# Altium PCB PCB_Template.PcbDoc (part 4 of 6)
Units mm, origin at the board's own origin, x right, y up, seen from the top; angles counter-clockwise.
Board outline 93 x 50 mm, 4 copper layers (Top Layer, Int1 (GND), Int2 (PWR), Bottom Layer), stack 1.369 mm thick; 176 components, 236 nets, 978 pads, 657 vias.
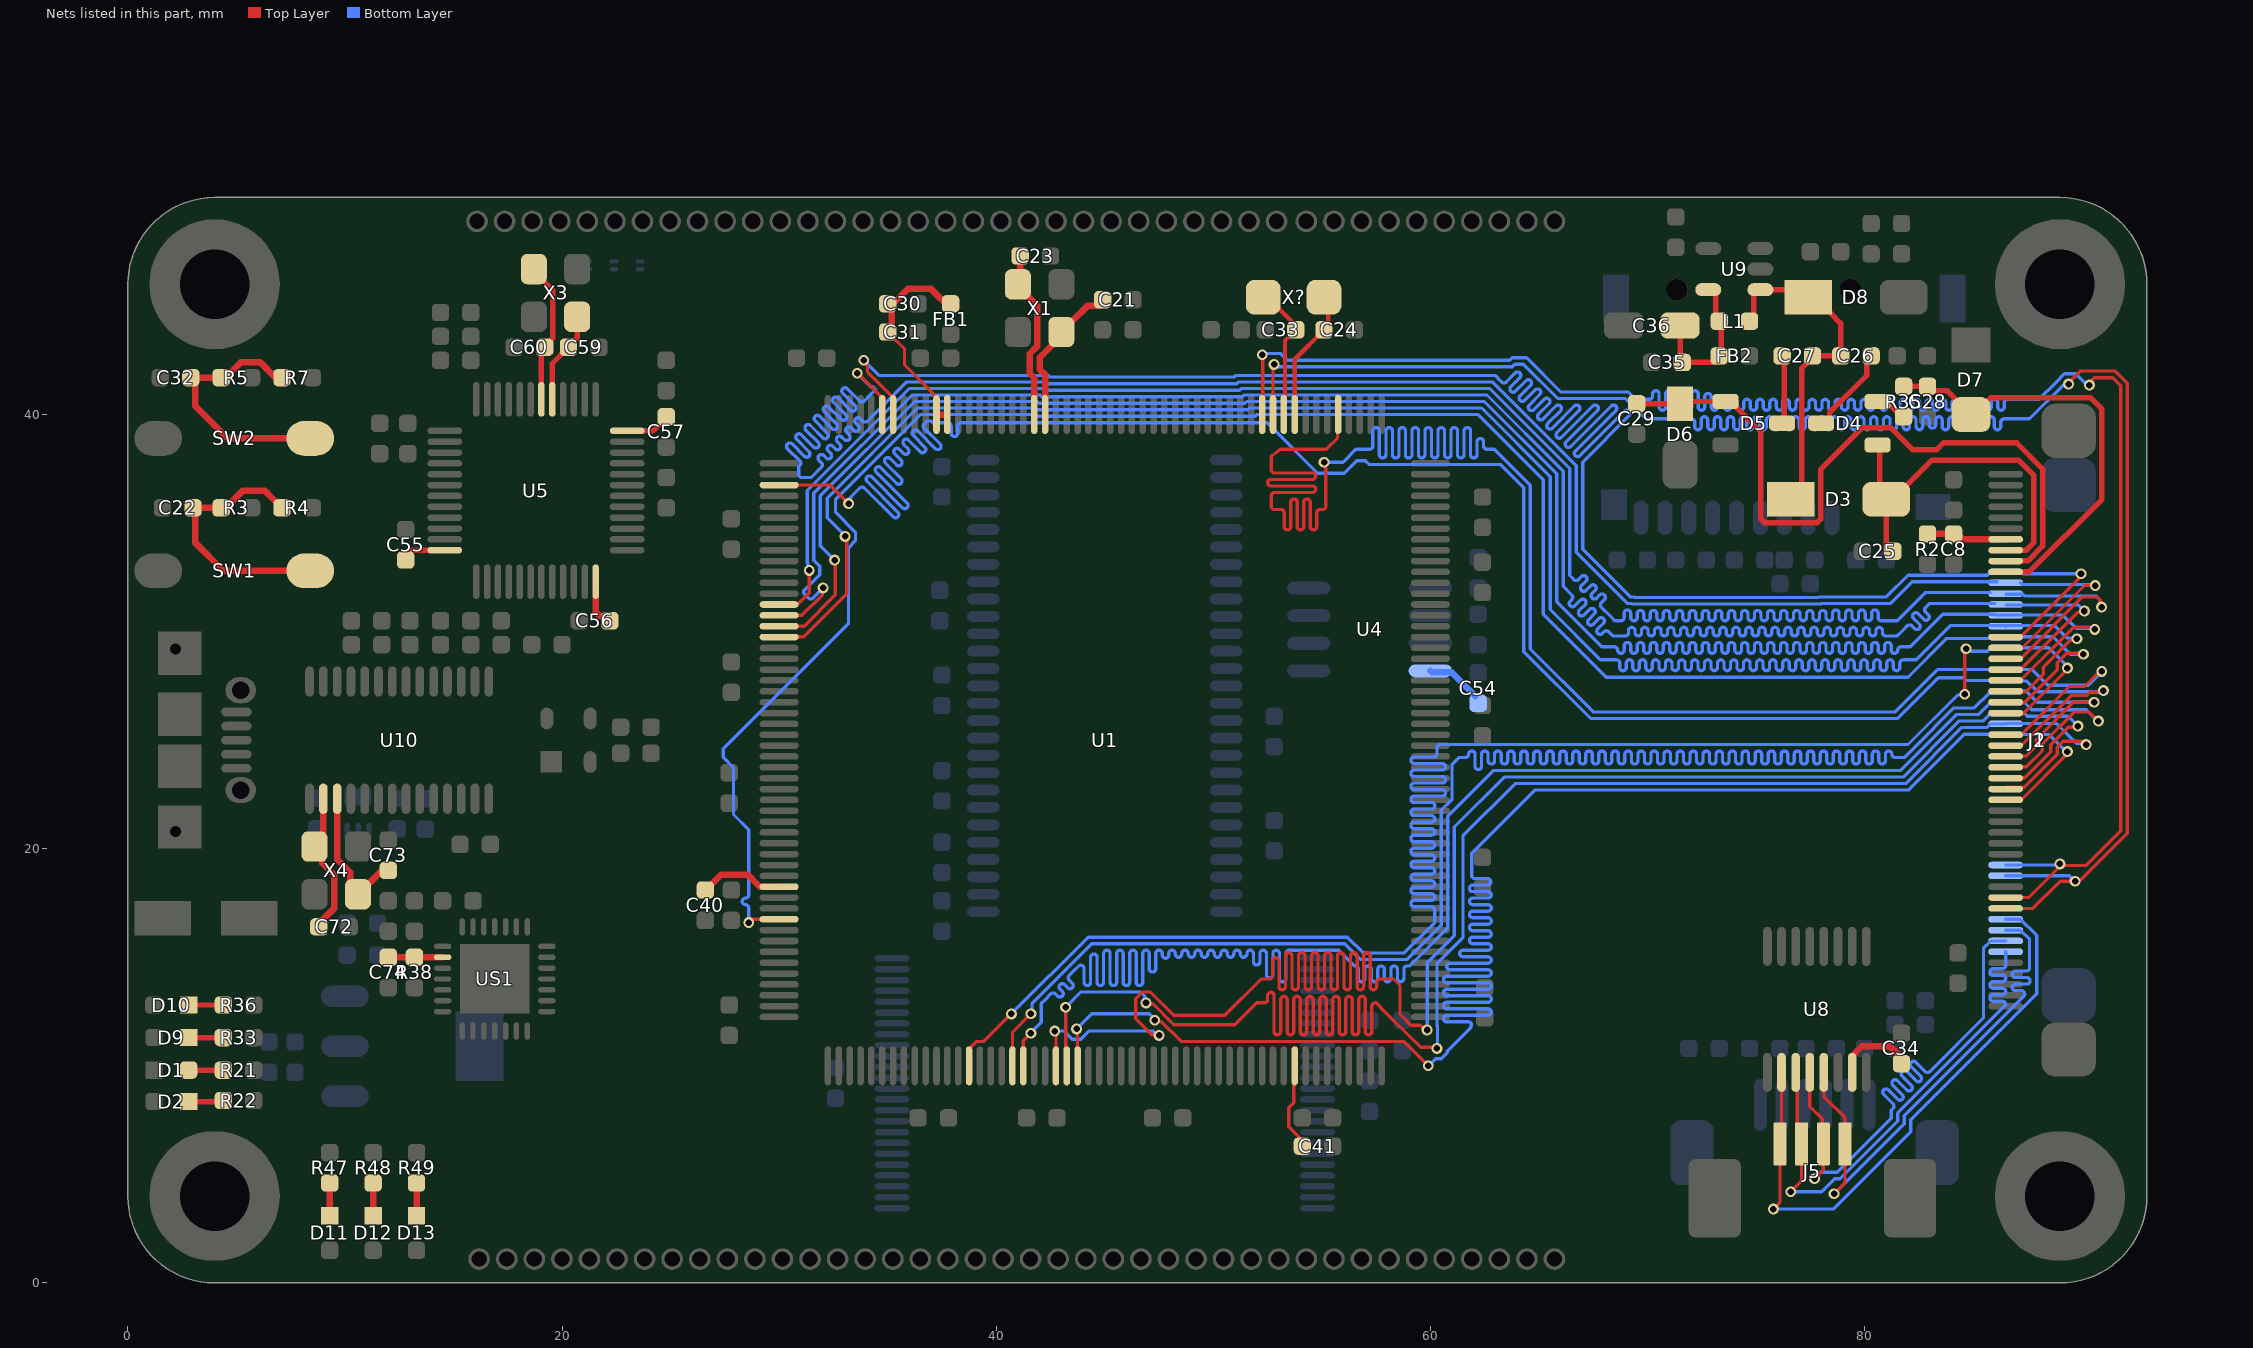
[diagram p6: the nets of this part, all layers, seen from the top]

## Via types
v1: diameter 0.5, hole 0.3, Top Layer to Bottom Layer, tented both sides, 457 vias
v2: diameter 0.5/0.5 (per signal layer), hole 0.3, Top Layer to Bottom Layer, tented both sides, 152 vias
v3: diameter 0.8, hole 0.5, Top Layer to Bottom Layer, 32 vias
v4: diameter 0.7/0.5 (per signal layer), hole 0.5, Top Layer to Bottom Layer, tented both sides, 9 vias
v5: diameter 0.3, hole 0.2, Top Layer to Bottom Layer, tented both sides, 7 vias

## Nets (pads, with @x,y where several pads share a name; then routed paths per layer and width w, separated by ;. In a path a pad name is that pad's centre, name@x,y a point inside that pad or via, vN(x,y) a via of type N, cw(c..) or ccw(c..) an arc to the next point about the centre after c; other vN are vias at no path point) (continued)
LCD_G1: J1.26 J2.14 U1.5 | length 99.1
  Top Layer w0.15: v1(55.1,37.8) 55.167,37.733 55.167,37.545 55.175,37.537 55.175,35.713 55.087,35.625 54.989,35.625 54.914,35.625 ccw(c54.914,35.475) 54.764,35.475 54.764,34.839 cw(c54.614,34.839) 54.464,34.839 54.464,35.96 ccw(c54.314,35.96) 54.164,35.96 54.164,34.839 cw(c54.014,34.839) 53.864,34.839 53.864,35.96 ccw(c53.714,35.96) 53.564,35.96 53.564,34.839 cw(c53.414,34.839) 53.264,34.839 53.264,35.475 ccw(c53.114,35.475) 53.114,35.625 52.796,35.625 52.763,35.625 52.675,35.713 52.675,35.885 52.675,36.26 cw(c52.825,36.26) 52.825,36.41 54.566,36.41 ccw(c54.566,36.56) 54.566,36.71 52.654,36.71 cw(c52.654,36.86) 52.654,37.01 54.566,37.01 ccw(c54.566,37.16) 54.566,37.31 52.825,37.31 cw(c52.825,37.46) 52.675,37.46 52.675,38.06 52.675,38.082 53.087,38.4 55.205,38.4 55.721,38.917 55.721,39.971 U1.5@55.75,40 ; J1.26@87.191,25.25 87.266,25.325 87.278,25.325 89.427,27.473 90.133,27.473 90.828,28.169 v1(90.923,28.169)
  Bottom Layer w0.15: v1(55.1,37.8) 55.972,37.8 56,37.828 56.572,38.4 57.2,38.4 ccw(c57.2,38.55) 57.35,38.55 57.35,39.25 cw(c57.5,39.25) 57.65,39.25 57.65,38.15 ccw(c57.8,38.15) 57.95,38.15 57.95,39.25 cw(c58.1,39.25) 58.25,39.25 58.25,38.15 ccw(c58.4,38.15) 58.55,38.15 58.55,39.25 cw(c58.7,39.25) 58.85,39.25 58.85,38.15 ccw(c59,38.15) 59.15,38.15 59.15,39.25 cw(c59.3,39.25) 59.45,39.25 59.45,38.15 ccw(c59.6,38.15) 59.75,38.15 59.75,39.25 cw(c59.9,39.25) 60.05,39.25 60.05,38.15 ccw(c60.2,38.15) 60.35,38.15 60.35,39.25 cw(c60.5,39.25) 60.65,39.25 60.65,38.15 ccw(c60.8,38.15) 60.95,38.15 60.95,39.25 cw(c61.1,39.25) 61.25,39.25 61.25,38.15 ccw(c61.4,38.15) 61.55,38.15 61.55,39.25 cw(c61.7,39.25) 61.85,39.25 61.85,38.15 ccw(c62,38.15) 62.15,38.15 62.15,38.749 cw(c62.3,38.749) 62.45,38.749 62.45,38.55 ccw(c62.6,38.55) 62.6,38.4 62.949,38.4 64.6,36.749 64.6,29.2 67.5,26.3 81.404,26.3 83.354,28.25 J2.14@86.5,28.25 87.726,28.25 88.445,27.531 90.31,27.531 v1@90.897,28.118
LCD_G2: J1.25 J2.15 U1.55 | length 98.6
  Top Layer w0.15: U1.55@30,36.75 32.35,36.75 v1(33.2,35.9) ; J1.25@86.5,24.75 87.191,24.75 87.266,24.825 87.279,24.825 89.51,27.056 90.21,27.056 90.373,27.219 90.94,27.219 v1(91.003,27.281)
  Bottom Layer w0.15: v1(33.2,35.9) 33.267,35.967 33.267,36.167 33.45,36.35 33.715,36.615 cw(c33.821,36.509) 33.927,36.615 35.258,35.285 ccw(c35.364,35.391) 35.47,35.285 ccw(c35.364,35.391) 35.47,35.497 34.052,36.915 cw(c34.158,37.021) 34.052,37.127 cw(c34.158,37.021) 34.264,37.127 35.682,35.709 ccw(c35.788,35.815) 35.894,35.709 ccw(c35.788,35.815) 35.894,35.921 34.476,37.339 cw(c34.582,37.446) 34.476,37.552 cw(c34.582,37.445) 34.688,37.552 35.407,36.833 ccw(c35.513,36.939) 35.619,36.833 ccw(c35.513,36.939) 35.619,37.045 34.9,37.764 cw(c35.006,37.87) 34.9,37.976 cw(c35.006,37.87) 35.112,37.976 35.407,37.681 ccw(c35.513,37.787) 35.619,37.681 ccw(c35.513,37.787) 35.619,37.893 35.324,38.188 cw(c35.43,38.294) 35.324,38.4 cw(c35.43,38.294) 35.536,38.4 35.726,38.21 ccw(c35.832,38.316) 35.938,38.21 ccw(c35.832,38.316) 35.938,38.422 35.749,38.612 cw(c35.855,38.718) 35.749,38.824 cw(c35.855,38.718) 35.961,38.824 36.504,38.281 ccw(c36.61,38.387) 36.716,38.281 ccw(c36.61,38.387) 36.716,38.493 36.173,39.036 cw(c36.279,39.143) 36.173,39.249 cw(c36.279,39.143) 36.385,39.249 37.203,38.431 ccw(c37.309,38.537) 37.415,38.431 ccw(c37.309,38.537) 37.415,38.643 36.685,39.373 cw(c36.791,39.479) 36.685,39.585 36.8,39.7 37,39.7 37.077,39.623 37.4,39.623 37.775,39.623 cw(c37.775,39.473) 37.925,39.473 37.925,39.139 ccw(c38.075,39.139) 38.225,39.139 38.225,39.473 cw(c38.375,39.473) 38.375,39.623 39,39.623 52.477,39.623 54.8,37.3 56.028,37.3 56.603,37.875 56.997,37.875 57.172,37.7 63.224,37.7 64.3,36.624 64.3,29.076 67.376,26 81.528,26 83.403,27.875 84.544,27.875 84.669,27.75 J2.15@86.5,27.75 ; J2.15@86.529,27.721 87.479,27.721 87.969,27.231 90.952,27.231 v1(91.003,27.281)
LCD_G3: J1.24 J2.16 U1.122 | length 99.3
  Top Layer w0.15: U1.122@40.75,10 40.75,11.55 v1(41.6,12.4) ; J1.24@85.82,24.25 J1.24@86.5,24.25 ; J1.24@86.5,24.271 87.446,24.271 87.896,24.721 87.896,25.018 89.622,26.744 v1(90.57,26.744)
  Bottom Layer w0.15: v1(41.6,12.4) 41.651,12.451 41.651,12.875 44.401,15.625 56.051,15.625 56.776,14.9 57.7,14.9 58.924,14.9 60.5,16.476 60.5,21.785 61,22.285 61,23.9 61.3,24.2 61.533,24.2 61.608,24.2 ccw(c61.608,24.35) 61.758,24.35 cw(c61.908,24.35) 62.058,24.35 62.058,23.793 ccw(c62.208,23.793) 62.358,23.793 62.358,24.35 cw(c62.508,24.35) 62.658,24.35 62.658,24.05 ccw(c62.808,24.05) 62.958,24.05 62.958,24.35 cw(c63.108,24.35) 63.258,24.35 63.258,24.05 ccw(c63.408,24.05) 63.558,24.05 63.558,24.35 cw(c63.708,24.35) 63.858,24.35 63.858,24.05 ccw(c64.008,24.05) 64.158,24.05 64.158,24.35 cw(c64.308,24.35) 64.458,24.35 64.458,24.05 ccw(c64.608,24.05) 64.758,24.05 64.758,24.35 cw(c64.908,24.35) 65.058,24.35 65.058,24.05 ccw(c65.208,24.05) 65.358,24.05 65.358,24.35 cw(c65.508,24.35) 65.658,24.35 65.658,24.05 ccw(c65.808,24.05) 65.958,24.05 65.958,24.35 cw(c66.108,24.35) 66.258,24.35 66.258,24.05 ccw(c66.408,24.05) 66.558,24.05 66.558,24.35 cw(c66.708,24.35) 66.858,24.35 66.858,24.05 ccw(c67.008,24.05) 67.158,24.05 67.158,24.35 cw(c67.308,24.35) 67.458,24.35 67.458,24.05 ccw(c67.608,24.05) 67.758,24.05 67.758,24.35 cw(c67.908,24.35) 68.058,24.35 68.058,24.05 ccw(c68.208,24.05) 68.358,24.05 68.358,24.35 cw(c68.508,24.35) 68.658,24.35 68.658,24.05 ccw(c68.808,24.05) 68.958,24.05 68.958,24.35 cw(c69.108,24.35) 69.258,24.35 69.258,24.05 ccw(c69.408,24.05) 69.558,24.05 69.558,24.35 cw(c69.708,24.35) 69.858,24.35 69.858,24.05 ccw(c70.008,24.05) 70.158,24.05 70.158,24.35 cw(c70.308,24.35) 70.458,24.35 70.458,24.05 ccw(c70.608,24.05) 70.758,24.05 70.758,24.35 cw(c70.908,24.35) 71.058,24.35 71.058,24.05 ccw(c71.208,24.05) 71.358,24.05 71.358,24.35 cw(c71.508,24.35) 71.658,24.35 71.658,24.05 ccw(c71.808,24.05) 71.958,24.05 71.958,24.35 cw(c72.108,24.35) 72.258,24.35 72.258,24.05 ccw(c72.408,24.05) 72.558,24.05 72.558,24.35 cw(c72.708,24.35) 72.858,24.35 72.858,24.05 ccw(c73.008,24.05) 73.158,24.05 73.158,24.35 cw(c73.308,24.35) 73.458,24.35 73.458,24.05 ccw(c73.608,24.05) 73.758,24.05 73.758,24.35 cw(c73.908,24.35) 74.058,24.35 74.058,24.05 ccw(c74.208,24.05) 74.358,24.05 74.358,24.35 cw(c74.508,24.35) 74.658,24.35 74.658,24.05 ccw(c74.808,24.05) 74.958,24.05 74.958,24.35 cw(c75.108,24.35) 75.258,24.35 75.258,24.05 ccw(c75.408,24.05) 75.558,24.05 75.558,24.35 cw(c75.708,24.35) 75.858,24.35 75.858,24.05 ccw(c76.008,24.05) 76.158,24.05 76.158,24.35 cw(c76.308,24.35) 76.458,24.35 76.458,24.05 ccw(c76.608,24.05) 76.758,24.05 76.758,24.35 cw(c76.908,24.35) 77.058,24.35 77.058,24.05 ccw(c77.208,24.05) 77.358,24.05 77.358,24.35 cw(c77.508,24.35) 77.658,24.35 77.658,24.05 ccw(c77.808,24.05) 77.958,24.05 77.958,24.35 cw(c78.108,24.35) 78.258,24.35 78.258,24.05 ccw(c78.408,24.05) 78.558,24.05 78.558,24.35 cw(c78.708,24.35) 78.858,24.35 78.858,24.05 ccw(c79.008,24.05) 79.158,24.05 79.158,24.35 cw(c79.308,24.35) 79.458,24.35 79.458,24.05 ccw(c79.608,24.05) 79.758,24.05 79.758,24.35 cw(c79.908,24.35) 80.058,24.35 80.058,24.05 ccw(c80.208,24.05) 80.358,24.05 80.358,24.35 cw(c80.508,24.35) 80.658,24.35 80.658,24.05 ccw(c80.808,24.05) 80.958,24.05 80.958,24.35 cw(c81.108,24.35) 81.258,24.35 ccw(c81.408,24.35) 81.408,24.2 81.824,24.2 82.302,24.678 84.112,26.488 85.057,26.488 85.786,27.216 J2.16@85.884,27.216 ; J2.16@86.5,27.25 87.45,27.25 87.956,26.744 v1(90.57,26.744)
LCD_G4: J1.23 J2.17 U1.123 | length 98.4
  Top Layer w0.15: U1.123@41.25,10 41.25,11.15 v1(41.6,11.5) ; J1.23@85.82,23.75 J1.23@86.5,23.75 ; J1.23@86.5,23.771 87.446,23.771 88.196,24.521 88.196,24.842 89.65,26.296 90.354,26.296 v1(90.774,25.876)
  Bottom Layer w0.15: v1(41.6,11.5) 41.6,11.524 42.075,11.999 42.075,12.875 42.25,13.05 42.515,13.315 cw(c42.621,13.209) 42.727,13.315 42.829,13.213 ccw(c42.935,13.319) 43.041,13.213 ccw(c42.935,13.319) 43.041,13.425 42.939,13.527 cw(c43.046,13.633) 42.939,13.739 cw(c43.046,13.633) 43.152,13.739 43.293,13.598 ccw(c43.399,13.704) 43.505,13.598 ccw(c43.399,13.704) 43.505,13.81 43.364,13.952 cw(c43.47,14.058) 43.364,14.164 43.597,14.397 43.791,14.591 cw(c43.897,14.485) 44.047,14.485 44.047,13.85 ccw(c44.197,13.85) 44.347,13.85 44.347,14.997 cw(c44.497,14.997) 44.647,14.997 44.647,13.85 ccw(c44.797,13.85) 44.947,13.85 44.947,15.175 cw(c45.097,15.175) 45.247,15.175 45.247,13.85 ccw(c45.397,13.85) 45.547,13.85 45.547,15.175 cw(c45.697,15.175) 45.847,15.175 45.847,13.85 ccw(c45.997,13.85) 46.147,13.85 46.147,15.175 cw(c46.297,15.175) 46.447,15.175 46.447,13.85 ccw(c46.597,13.85) 46.597,13.7 ccw(c46.597,13.85) 46.747,13.85 46.747,15.175 cw(c46.897,15.175) 47.047,15.175 47.047,14.469 ccw(c47.197,14.469) 47.347,14.469 47.347,15.175 cw(c47.497,15.175) 47.647,15.175 47.647,15.108 ccw(c47.797,15.108) 47.947,15.108 47.947,15.175 cw(c48.097,15.175) 48.247,15.175 48.247,15.15 ccw(c48.397,15.15) 48.547,15.15 48.547,15.175 cw(c48.697,15.175) 48.847,15.175 48.847,15.15 ccw(c48.997,15.15) 49.147,15.15 49.147,15.175 cw(c49.297,15.175) 49.447,15.175 49.447,15.15 ccw(c49.597,15.15) 49.747,15.15 49.747,15.175 cw(c49.897,15.175) 50.047,15.175 50.047,15.15 ccw(c50.197,15.15) 50.347,15.15 50.347,15.175 cw(c50.497,15.175) 50.647,15.175 50.647,15.15 ccw(c50.797,15.15) 50.947,15.15 50.947,15.175 cw(c51.097,15.175) 51.247,15.175 51.247,15.15 ccw(c51.397,15.15) 51.547,15.15 51.547,15.175 cw(c51.697,15.175) 51.847,15.175 51.847,14.797 ccw(c51.997,14.797) 52.147,14.797 52.147,15.175 cw(c52.297,15.175) 52.447,15.175 52.447,14.197 ccw(c52.597,14.197) 52.747,14.197 52.747,15.175 cw(c52.897,15.175) 53.047,15.175 53.047,14.017 ccw(c53.197,14.017) 53.347,14.017 53.347,15.175 cw(c53.497,15.175) 53.497,15.325 55.182,15.325 55.775,15.325 56.005,15.095 56.5,14.6 56.53,14.6 cw(c56.53,14.45) 56.68,14.45 56.68,14.023 ccw(c56.83,14.023) 56.98,14.023 56.98,14.45 cw(c57.13,14.45) 57.28,14.45 57.28,14.023 ccw(c57.43,14.023) 57.58,14.023 57.58,14.45 cw(c57.73,14.45) 57.88,14.45 57.88,14.023 ccw(c58.03,14.023) 58.18,14.023 58.18,14.45 cw(c58.33,14.45) 58.48,14.45 58.48,14.023 ccw(c58.63,14.023) 58.78,14.023 58.78,14.45 cw(c58.93,14.45) 58.93,14.6 59.049,14.6 59.6,15.151 60.8,16.351 60.8,21.5 62.9,23.6 81.649,23.6 84.236,26.188 85.257,26.188 85.82,26.75 J2.17@86.5,26.75 ; J2.17@86.5,26.763 86.528,26.735 87.365,26.735 87.7,26.4 90.214,26.4 90.737,25.876 v1(90.774,25.876)
LCD_G5: J1.22 J2.18 U1.126 | length 95.8
  Top Layer w0.15: v1(42.7,11.6) 42.75,11.55 U1.126@42.75,10 ; v1(47.5,11.4) 47.464,11.436 47.164,11.436 46.425,12.175 46.425,13.097 46.728,13.4 47.1,13.4 48.175,12.325 50.525,12.325 52.2,14 52.5,14 52.575,14 ccw(c52.575,14.15) 52.725,14.15 52.725,14.826 cw(c52.875,14.826) 53.025,14.826 53.025,13.65 ccw(c53.175,13.65) 53.325,13.65 53.325,15.064 cw(c53.475,15.064) 53.625,15.064 53.625,13.65 ccw(c53.775,13.65) 53.925,13.65 53.925,15.064 cw(c54.075,15.064) 54.225,15.064 54.225,13.65 ccw(c54.375,13.65) 54.525,13.65 54.525,15.064 cw(c54.675,15.064) 54.825,15.064 54.825,13.65 ccw(c54.975,13.65) 55.125,13.65 55.125,15.064 cw(c55.275,15.064) 55.425,15.064 55.425,13.65 ccw(c55.575,13.65) 55.725,13.65 55.725,15.064 cw(c55.875,15.064) 56.025,15.064 56.025,13.65 ccw(c56.175,13.65) 56.325,13.65 56.325,15.064 cw(c56.475,15.064) 56.625,15.064 56.625,13.65 ccw(c56.775,13.65) 56.925,13.65 56.925,15.064 cw(c57.075,15.064) 57.225,15.064 57.225,13.65 ccw(c57.375,13.65) 57.525,13.65 57.525,13.85 cw(c57.675,13.85) 57.675,14 57.903,14 58.3,14 58.6,13.7 58.6,12.369 59.095,11.875 59.531,11.875 59.755,11.65 v1(59.85,11.65) ; J1.22@86.5,23.274 87.374,23.274 88.571,24.472 88.571,24.792 89.379,25.6 v1@89.775,25.6
  Bottom Layer w0.15: v1(42.7,11.6) 43.128,11.6 43.503,11.225 43.897,11.225 44.175,11.503 44.175,11.512 44.263,11.6 47.237,11.6 47.437,11.4 v1(47.5,11.4) ; v1(59.85,11.65) 59.85,14.75 61.1,16 61.1,21 63.4,23.3 81.773,23.3 84.36,25.888 85.457,25.888 85.82,26.25 J2.18@86.5,26.25 86.515,26.235 87.365,26.235 87.5,26.1 89.375,26.1 89.787,25.688 v1@89.787,25.613
  other v1: 89.825,25.65
LCD_G6: J1.21 J2.19 U1.127 | length 95.8
  Top Layer w0.15: v1(43.2,12.7) 43.2,10.906 43.221,10.885 43.221,10.029 U1.127@43.25,10 ; v1(46.9,12.9) 46.95,12.85 47.222,12.85 48.186,11.886 50.986,11.886 52,12.9 52.277,12.9 52.352,12.9 ccw(c52.352,13.05) 52.502,13.05 52.502,13.238 cw(c52.652,13.238) 52.802,13.238 52.802,11.575 ccw(c52.952,11.575) 53.102,11.575 53.102,13.05 cw(c53.252,13.05) 53.402,13.05 53.402,11.575 ccw(c53.552,11.575) 53.702,11.575 53.702,13.05 cw(c53.852,13.05) 54.002,13.05 54.002,11.575 ccw(c54.152,11.575) 54.302,11.575 54.302,13.05 cw(c54.452,13.05) 54.602,13.05 54.602,11.575 ccw(c54.752,11.575) 54.902,11.575 54.902,13.05 cw(c55.052,13.05) 55.202,13.05 55.202,11.575 ccw(c55.352,11.575) 55.502,11.575 55.502,13.05 cw(c55.652,13.05) 55.802,13.05 55.802,11.575 ccw(c55.952,11.575) 56.102,11.575 56.102,13.05 cw(c56.252,13.05) 56.402,13.05 56.402,11.575 ccw(c56.552,11.575) 56.702,11.575 56.702,13.05 cw(c56.852,13.05) 57.002,13.05 57.002,11.575 ccw(c57.152,11.575) 57.302,11.575 57.302,12.75 cw(c57.452,12.75) 57.452,12.9 57.5,12.9 57.9,12.5 59.05,11.35 59.55,10.85 60.25,10.85 v1(60.3,10.8) ; J1.21@85.809,22.75 J1.21@86.5,22.75 ; J1.21@86.554,22.829 87.352,22.829 88.871,24.348 88.871,24.668 89.149,24.946 89.959,24.946 90.112,24.793 v1(90.207,24.793)
  Bottom Layer w0.15: v1(43.2,12.7) 43.9,13.4 46.662,13.4 46.845,13.217 46.845,12.955 v1(46.9,12.9) ; v1(60.3,10.8) 60.325,10.825 60.325,11.847 60.3,11.872 60.3,14.7 61.5,15.9 61.5,20.6 63.9,23 81.897,23 84.485,25.588 85.657,25.588 85.82,25.75 J2.19@86.5,25.75 ; J2.19@86.5,25.763 88.846,25.763 89.162,25.446 89.162,25.444 89.295,25.312 89.297,25.312 89.76,24.849 90.151,24.849 v1(90.207,24.793)
LCD_G7: J1.20 J2.20 U1.128 | length 95.5
  Top Layer w0.15: v1(43.7,11.7) 43.75,11.65 U1.128@43.75,10 ; v1(47.3,12.1) 47.362,12.038 47.61,12.038 48.522,11.125 58.775,11.125 v1(59.9,10) ; J1.20@86.425,22.175 J1.20@86.5,22.25 ; J1.20@86.525,22.3 87.275,22.3 89.229,24.254 89.229,24.354 v1@89.296,24.421
  Bottom Layer w0.15: v1(43.7,11.7) 44.4,12.4 47.053,12.4 47.3,12.153 v1(47.3,12.1) ; v1(59.9,10) 59.922,10 60.247,10.325 60.497,10.325 60.782,10.61 60.782,10.671 61.863,11.752 61.863,11.838 61.9,11.875 ccw(c61.75,11.875) 61.75,12.025 60.75,12.025 cw(c60.75,12.175) 60.75,12.325 62.653,12.325 ccw(c62.653,12.475) 62.653,12.625 60.75,12.625 cw(c60.75,12.775) 60.75,12.925 62.653,12.925 ccw(c62.653,13.075) 62.653,13.225 60.75,13.225 cw(c60.75,13.375) 60.75,13.525 62.653,13.525 ccw(c62.653,13.675) 62.653,13.825 60.75,13.825 cw(c60.75,13.975) 60.75,14.125 62.653,14.125 ccw(c62.653,14.275) 62.653,14.425 60.899,14.425 cw(c60.899,14.575) 60.899,14.725 62.653,14.725 ccw(c62.653,14.875) 62.653,15.025 61.499,15.025 cw(c61.499,15.175) 61.499,15.325 62.653,15.325 ccw(c62.653,15.475) 62.653,15.625 61.95,15.625 cw(c61.95,15.775) 61.95,15.925 62.653,15.925 ccw(c62.653,16.075) 62.653,16.225 61.95,16.225 cw(c61.95,16.375) 61.95,16.525 62.653,16.525 ccw(c62.653,16.675) 62.653,16.825 61.95,16.825 cw(c61.95,16.975) 61.95,17.125 62.653,17.125 ccw(c62.653,17.275) 62.653,17.425 61.95,17.425 cw(c61.95,17.575) 61.95,17.725 62.653,17.725 ccw(c62.653,17.875) 62.653,18.025 61.95,18.025 cw(c61.95,18.175) 61.95,18.325 62.632,18.325 ccw(c62.632,18.475) 62.632,18.625 62.05,18.625 cw(c62.05,18.775) 61.9,18.775 61.9,19.375 61.9,19.8 64.8,22.7 82.021,22.7 84.596,25.275 86.475,25.275 J2.20@86.487,25.263 ; J2.20@86.5,25.25 J2.20@86.487,25.263 ; v1@89.309,24.434 88.48,25.263 J2.20@86.487,25.263
  other v1: 89.346,24.471
LCD_HS: J1.11 J2.32 U1.12 | length 97.3
  Top Layer w0.15: U1.12@52.25,40 52.275,40.025 52.275,42.078 52.275,42.732 v1(52.253,42.753) ; J1.11@86.5,17.75 87.55,17.75 v1@88.933,19.133 ; v1(89,19.3) 89.067,19.233 89.255,19.233 89.263,19.225 90.197,19.225 91.8,20.828 91.8,41.2 91.8,41.324 91.424,41.7 90.567,41.7 90.479,41.612
  Bottom Layer w0.15: v1(52.253,42.753) 52.314,42.814 53.086,42.814 53.4,42.5 63.647,42.5 63.767,42.621 64.431,42.621 66.014,41.038 69.108,41.038 69.446,40.7 70.011,40.7 70.086,40.7 ccw(c70.086,40.85) 70.236,40.85 70.236,40.95 cw(c70.386,40.95) 70.536,40.95 70.536,40.35 ccw(c70.686,40.35) 70.836,40.35 70.836,40.95 cw(c70.986,40.95) 71.136,40.95 71.136,40.35 ccw(c71.286,40.35) 71.436,40.35 71.436,40.95 cw(c71.586,40.95) 71.736,40.95 71.736,40.35 ccw(c71.886,40.35) 72.036,40.35 72.036,40.95 cw(c72.186,40.95) 72.336,40.95 72.336,40.35 ccw(c72.486,40.35) 72.636,40.35 72.636,40.822 cw(c72.786,40.822) 72.936,40.822 72.936,40.35 ccw(c73.086,40.35) 73.236,40.35 73.236,40.55 cw(c73.386,40.55) 73.536,40.55 73.536,40.35 ccw(c73.686,40.35) 73.836,40.35 73.836,40.55 cw(c73.986,40.55) 74.136,40.55 74.136,40.35 ccw(c74.286,40.35) 74.436,40.35 74.436,40.55 cw(c74.586,40.55) 74.736,40.55 74.736,40.35 ccw(c74.886,40.35) 75.036,40.35 75.036,40.55 cw(c75.186,40.55) 75.336,40.55 75.336,40.35 ccw(c75.486,40.35) 75.636,40.35 75.636,40.55 cw(c75.786,40.55) 75.936,40.55 75.936,40.35 ccw(c76.086,40.35) 76.236,40.35 76.236,40.55 cw(c76.386,40.55) 76.536,40.55 76.536,40.35 ccw(c76.686,40.35) 76.836,40.35 76.836,40.55 cw(c76.986,40.55) 77.136,40.55 77.136,40.35 ccw(c77.286,40.35) 77.436,40.35 77.436,40.55 cw(c77.586,40.55) 77.736,40.55 77.736,40.35 ccw(c77.886,40.35) 78.036,40.35 78.036,40.55 cw(c78.186,40.55) 78.336,40.55 78.336,40.35 ccw(c78.486,40.35) 78.636,40.35 78.636,40.55 cw(c78.786,40.55) 78.936,40.55 78.936,40.35 ccw(c79.086,40.35) 79.236,40.35 79.236,40.55 cw(c79.386,40.55) 79.536,40.55 79.536,40.35 ccw(c79.686,40.35) 79.836,40.35 79.836,40.55 cw(c79.986,40.55) 80.136,40.55 80.136,40.35 ccw(c80.286,40.35) 80.436,40.35 80.436,40.55 cw(c80.586,40.55) 80.736,40.55 80.736,40.35 ccw(c80.886,40.35) 81.036,40.35 81.036,40.55 cw(c81.186,40.55) 81.336,40.55 81.336,40.35 ccw(c81.486,40.35) 81.636,40.35 81.636,40.55 cw(c81.786,40.55) 81.936,40.55 81.936,40.35 ccw(c82.086,40.35) 82.236,40.35 82.236,40.55 cw(c82.386,40.55) 82.536,40.55 82.536,40.35 ccw(c82.686,40.35) 82.836,40.35 82.836,40.55 cw(c82.986,40.55) 83.136,40.55 83.136,40.35 ccw(c83.286,40.35) 83.436,40.35 83.436,40.55 cw(c83.586,40.55) 83.736,40.55 83.736,40.35 ccw(c83.886,40.35) 84.036,40.35 84.036,40.55 cw(c84.186,40.55) 84.336,40.55 84.336,40.35 ccw(c84.486,40.35) 84.636,40.35 84.636,40.55 cw(c84.786,40.55) 84.936,40.55 84.936,40.35 ccw(c85.086,40.35) 85.236,40.35 85.236,40.55 cw(c85.386,40.55) 85.536,40.55 85.536,40.35 ccw(c85.686,40.35) 85.836,40.35 85.836,40.55 cw(c85.986,40.55) 86.136,40.55 86.136,40.35 ccw(c86.286,40.35) 86.436,40.35 86.436,40.55 cw(c86.586,40.55) 86.586,40.7 87.1,40.7 88.028,40.7 88.775,41.447 89.203,41.875 89.725,41.875 90.114,41.486 90.139,41.486 90.265,41.36 v1(90.36,41.36) ; J2.32@86.5,19.25 88.95,19.25 v1(89,19.3)
LCD_R0: J1.35 J2.5 U1.46 | length 98
  Top Layer w0.15: v1(33.9,42.5) 33.9,42.405 34.075,42.23 34.075,41.955 35.25,40.78 U1.46@35.25,40 ; J1.35@87.205,29.787 87.209,29.784 87.214,29.784 87.525,30.095 89.848,32.418 89.848,32.453 89.969,32.574 v1(89.969,32.669)
  Bottom Layer w0.15: v1(33.9,42.5) 34.6,41.8 42.397,41.8 42.474,41.723 50.962,41.723 51.039,41.8 62.979,41.8 63.228,41.551 63.281,41.498 ccw(c63.387,41.604) 63.493,41.498 63.91,41.915 cw(c64.016,41.809) 64.122,41.915 cw(c64.016,41.809) 64.122,41.703 63.705,41.286 ccw(c63.811,41.18) 63.705,41.074 ccw(c63.811,41.18) 63.917,41.074 64.404,41.56 cw(c64.51,41.454) 64.616,41.56 cw(c64.51,41.454) 64.616,41.348 64.13,40.862 ccw(c64.236,40.756) 64.13,40.65 ccw(c64.236,40.756) 64.342,40.649 64.828,41.136 cw(c64.934,41.03) 65.04,41.136 cw(c64.934,41.03) 65.04,40.924 64.554,40.437 ccw(c64.66,40.331) 64.554,40.225 ccw(c64.66,40.331) 64.766,40.225 65.252,40.711 cw(c65.358,40.605) 65.464,40.711 cw(c65.358,40.605) 65.464,40.499 64.978,40.013 ccw(c65.084,39.907) 64.978,39.801 ccw(c65.084,39.907) 65.19,39.801 65.783,40.394 cw(c65.889,40.288) 65.995,40.394 cw(c65.889,40.288) 65.995,40.182 65.402,39.589 ccw(c65.508,39.483) 65.402,39.377 ccw(c65.508,39.483) 65.614,39.377 66.632,40.394 cw(c66.738,40.288) 66.844,40.394 cw(c66.738,40.288) 66.844,40.182 65.827,39.165 ccw(c65.933,39.059) 65.827,38.952 ccw(c65.933,39.059) 66.039,38.952 67.48,40.394 cw(c67.586,40.288) 67.692,40.394 cw(c67.586,40.288) 67.692,40.182 66.251,38.74 ccw(c66.357,38.634) 66.251,38.528 ccw(c66.357,38.634) 66.463,38.528 68.329,40.394 cw(c68.435,40.288) 68.541,40.394 cw(c68.435,40.288) 68.541,40.182 66.675,38.316 ccw(c66.781,38.21) 66.675,38.104 ccw(c66.781,38.21) 66.887,38.104 68.934,40.151 cw(c69.041,40.045) 69.147,40.151 cw(c69.041,40.045) 69.147,39.939 67.059,37.852 ccw(c67.165,37.746) 67.015,37.746 67.015,36.953 67.015,33.785 69.2,31.6 69.386,31.6 69.411,31.575 77.876,31.575 77.901,31.6 81,31.6 82,32.6 85.659,32.6 85.809,32.75 J2.5@86.5,32.75 ; J2.5@87.18,32.75 87.191,32.75 87.272,32.669 v1(89.969,32.669)
LCD_R1: J1.34 J2.6 U1.47 | length 98.2